# Altium PCB MecaVac(alternativo).PcbDoc (part 1 of 2) (continued)
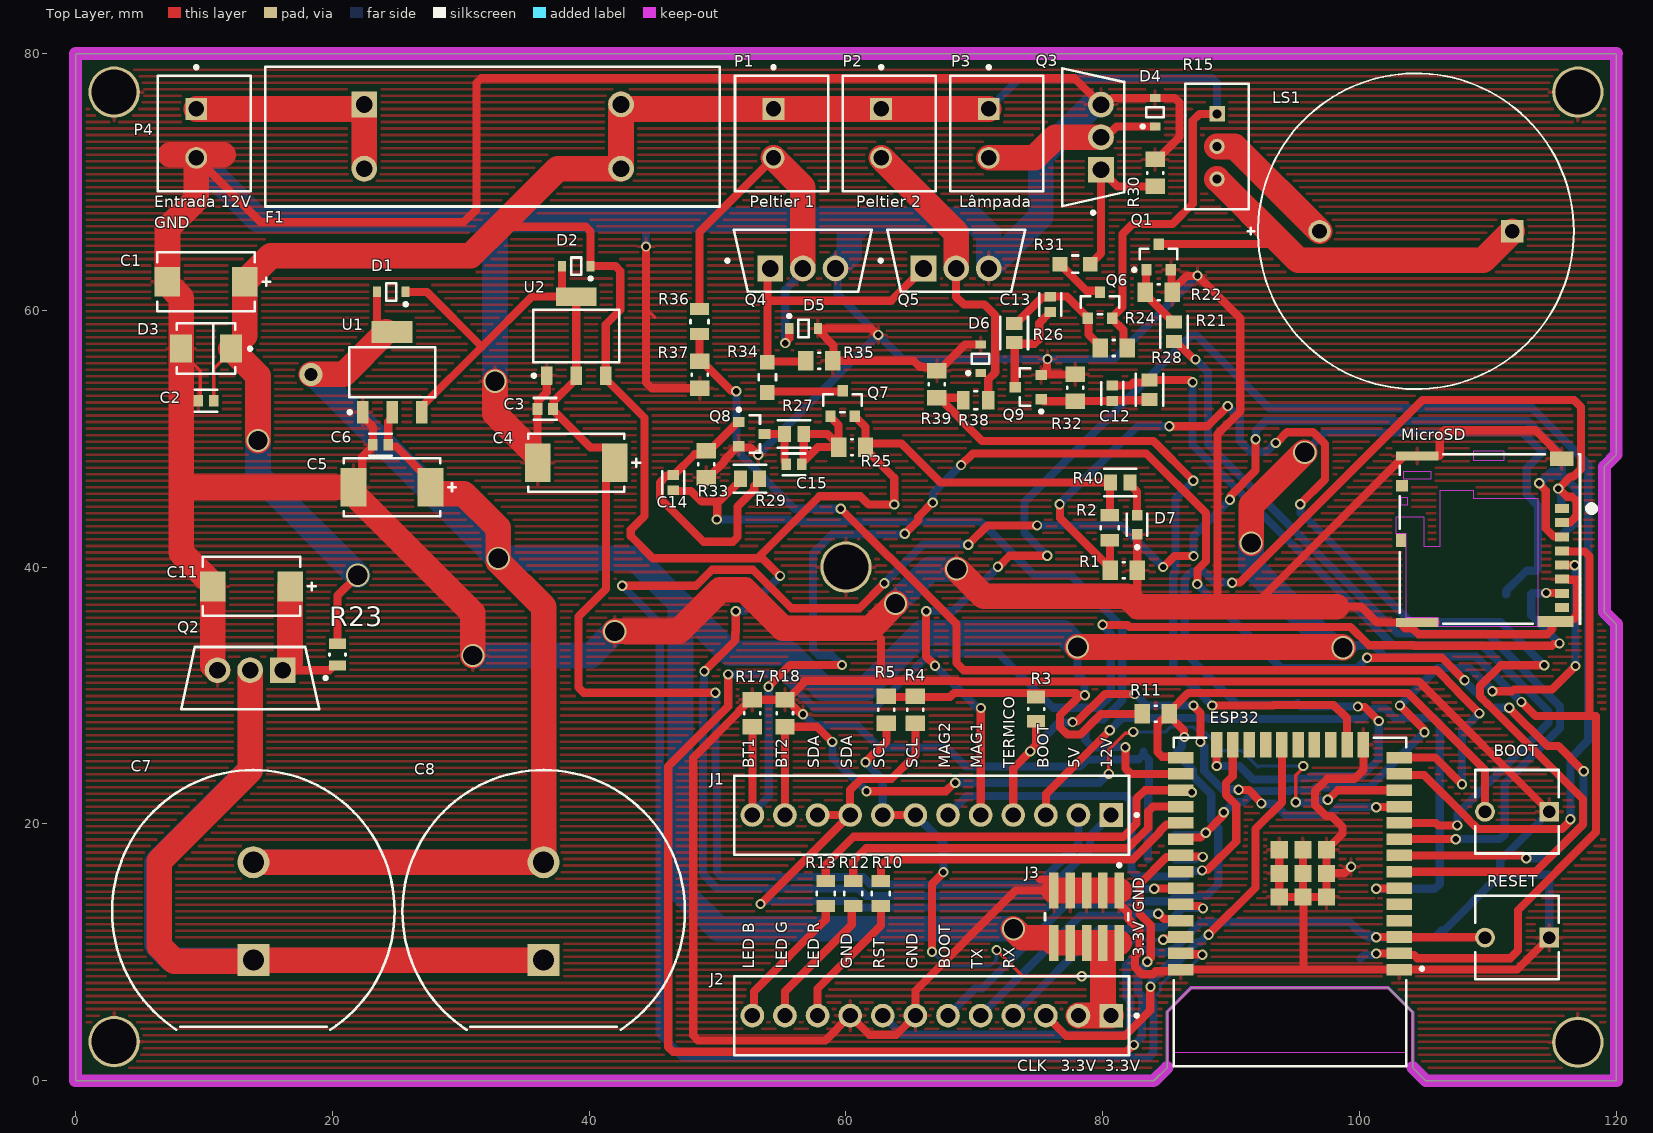
[diagram p0: Top Layer view]
## Part data (continued)
BOOT RESET: library part CMP-03407-000038-1, "SWITCH TACTILE SPST-NO 0.05A 24V", Case/Package=Radial, Contact Current Rating=50mA, Contact Resistance=100mR, Max Operating Temperature=105°C, Max Voltage Rating (DC)=12V, Min Operating Temperature=-35°C, Operating Force=1.57N, Package Quantity=10000, Actuator Diameter=3.5mm, Actuator Length=0.055inch, Actuator Material=Resin, Actuator Type=Standard, Contact material="Copper Alloy", Contact Plating=Silver, Current rating=50mA, Depth=6.19mm, Electrical Life=100000Cycles, Illumination Type=Non-Illuminated, Length=6.19mm, Max Current Rating=50mA, Mechanical Life=100000Cycles, Mount="Through Hole", Orientation=Straight, Packaging="Tape and Reel", Radiation Hardening=No, RoHS Compliant=Yes, Series=FSMJRT, Switch Function=Off-Mom, Switch Travel=0.25mm, Termination="PC Pins", Throw Configuration=SPST, Type=Switch, Voltage Rating (DC)=12V
C1 C11: library part CMP-03017-000020-1, "CAP TANT 47UF 10% 25V 2917", Capacitance=47uF, Case Code (Imperial)=2917, Case Code (Metric)=7343, Dielectric Material=Tantalum, ESR (Equivalent Series Resistance)=700mR, Leakage Current=11.8uA, Max Operating Temperature=125°C, Min Operating Temperature=-55°C, Package Quantity=1, Ripple Current=463mA, Tolerance=10%, Voltage=25V, Case/Package=2917, Depth=4.3mm, Dissipation Factor=10%, Failure Rate=0.001%, Features="General Purpose", Height=2.8mm, Height - Seated (Max)=0.122inch, Lead Free="Lead Free", Length=7.3mm, Life (Hours)=2000Hour, Mount="Surface Mount", Number of Pins=2, Packaging="Tape and Reel", Polarity=Polar, Radiation Hardening=No, REACH SVHC="No SVHC", RoHS Compliant=Yes, Termination=SMD/SMT, Voltage rating=25V, Voltage Rating (DC)=25V, Weight=0.023634oz, Width=4.3mm
C2 C3 C12 C13 C14 C15: library part CMP-2006-03581-2, "CAP CER 470PF 50V 5% NP0 0603", Capacitance="470 pF", Manufacturer=KEMET, Package=C0603C-CF, Temperature="-55°C to +125°C", Temperature Characteristic=C0G, Temperature Coefficient=30ppm/°C, Temperature Range High=+125°C, Temperature Range Low=-55°C, Tolerance=0.05, Voltage rating="50 V", Automotive=Yes, Automotive Grade="Grade 1", Category=Cap, ComponentLink2Description=Datasheet, ComponentLink2URL=https://api.kemet.com/component-edge/download/datasheet/C0603C100J5GACAUTO.pdf, Device Class L1="Passive Components", Device Class L2=Capacitors, Device Class L3="Ceramic Capacitors", Digikey Description="CAP CER 470PF 50V 5% NP0 0603", Height=0.87mm, Lead Free=Yes, Manufacturer Part Number=C0603C471J5GACTU, Material=Ceramic, Mouser Description="Ceramic Capacitor 470Pf 50V, C0G, 5%, 0603, Full Reel", Octopart=https://octopart.com/c0603c471j5gactu-kemet-95298, RoHS=TRUE
C4 C5: library part CMP-04424-000452-1, "47uF 10V  ±10% 400mΩ 2917  SMD Tantalum Capacitor", Case Code (Imperial)=2917, Case Code (Metric)=7343, Dielectric Material=Tantalum, ESR (Equivalent Series Resistance)=900mR, Leakage Current=6uA, Max Operating Temperature=125°C, Min Operating Temperature=-55°C, Package Quantity=1, Tolerance=10%, Voltage=10V, Capacitance=47uF, Case/Package=2917, Construction=Flat, Depth=4.3mm, Dissipation Factor=6%, Features="General Purpose", Height=2.9mm, Height - Seated (Max)=0.122inch, Lead Free="Lead Free", Lead Pitch=4.4mm, Length=7.3mm, Mount="Surface Mount", Number of Pins=2, Packaging="Tape and Reel", Polarity=Polar, Radiation Hardening=No, REACH SVHC="No SVHC", RoHS Compliant=Yes, Series=TAJ, Termination=SMD/SMT, Voltage rating=10V, Voltage Rating (DC)=10V, Width=0.169inch
C6: library part CMP-2006-03581-2, "CAP CER 470PF 50V 5% NP0 0603", Capacitance="470 pF", Capacitancia=470pF, Manufacturer=KEMET, Package=C0603C-CF, Temperature="-55°C to +125°C", Temperature Characteristic=C0G, Temperature Coefficient=30ppm/°C, Temperature Range High=+125°C, Temperature Range Low=-55°C, Tolerance=0.05, Voltage rating="50 V", Automotive=Yes, Automotive Grade="Grade 1", Category=Cap, ComponentLink2Description=Datasheet, ComponentLink2URL=https://api.kemet.com/component-edge/download/datasheet/C0603C100J5GACAUTO.pdf, Device Class L1="Passive Components", Device Class L2=Capacitors, Device Class L3="Ceramic Capacitors", Digikey Description="CAP CER 470PF 50V 5% NP0 0603", Height=0.87mm, Lead Free=Yes, Manufacturer Part Number=C0603C471J5GACTU, Material=Ceramic, Mouser Description="Ceramic Capacitor 470Pf 50V, C0G, 5%, 0603, Full Reel", Octopart=https://octopart.com/c0603c471j5gactu-kemet-95298, RoHS=TRUE
C7: library part CMP-03024-000003-1, "CAP 1F -20% +80% 5.5V T/H", Capacitance=1F, Manufacturer=KEMET, Manufacturer Part Number=FR0H105ZF, Temperature="-40°C to +85°C", Temperature Range High=+85°C, Temperature Range Low=-40°C, Tolerance=-20/+80%, Voltage rating=5.5V, Automotive=No, Category=Cap, ComponentLink2Description=Datasheet, ComponentLink2URL=https://content.kemet.com/datasheets/KEM_S6016_FR.pdf, Device Class L1="Passive Components", Device Class L2=Capacitors, Device Class L3=Supercapacitors, Digikey Description="CAP 1F -20% +80% 5.5V T/H", Height=22mm, Lead Free=Yes, Mouser Description="Supercapacitors / Ultracapacitors 1F 5.5volts Radial Super Cap", Octopart=https://octopart.com/fr0h105zf-kemet-30531656, Package=FR0H105ZF, RoHS=TRUE
C8: library part CMP-03024-000003-1, "CAP 1F -20% +80% 5.5V T/H", Manufacturer=KEMET, Manufacturer Part Number=FR0H105ZF, Temperature="-40°C to +85°C", Temperature Range High=+85°C, Temperature Range Low=-40°C, Tolerance=-20/+80%, Voltage rating=5.5V, Automotive=No, Capacitance=1F, Category=Cap, ComponentLink2Description=Datasheet, ComponentLink2URL=https://content.kemet.com/datasheets/KEM_S6016_FR.pdf, Device Class L1="Passive Components", Device Class L2=Capacitors, Device Class L3=Supercapacitors, Digikey Description="CAP 1F -20% +80% 5.5V T/H", Height=22mm, Lead Free=Yes, Mouser Description="Supercapacitors / Ultracapacitors 1F 5.5volts Radial Super Cap", Octopart=https://octopart.com/fr0h105zf-kemet-30531656, Package=FR0H105ZF, RoHS=TRUE
C9 C10: library part CMP-04424-000673-1, "100nF 35V  ±10% 24Ω 1206  SMD Tantalum Capacitor", Capacitance=100nF, Case Code (Imperial)=1206, Case Code (Metric)=3216, Dielectric Material=Tantalum, ESR (Equivalent Series Resistance)=24R, Leakage Current=500nA, Max Operating Temperature=125°C, Min Operating Temperature=-55°C, Package Quantity=1, Tolerance=10%, Voltage=35V, Case/Package=1206, Construction=Flat, Depth=1.6mm, Dissipation Factor=4%, Features="General Purpose", Height=1.6mm, Height - Seated (Max)=0.071inch, Lead Free="Lead Free", Lead Pitch=1.1mm, Length=3.2mm, Mount="Surface Mount", Number of Pins=2, Packaging="Tape and Reel", Polarity=Polar, Q Factor=4, Radiation Hardening=No, REACH SVHC="No SVHC", RoHS Compliant=Yes, Series=TAJ, Termination=SMD/SMT, Voltage rating=35V, Voltage Rating (DC)=35V, Width=1.6mm
D1 D2 D4 D5 D6: library part CMP-1055-00462-1, "Schottky Barrier Diode, 2-Pin SOD-323, Pb-Free, Tape and Reel", Manufacturer="On Semiconductor", ComponentLink1Description="Manufacturer URL", ComponentLink1URL=http://www.onsemi.com/, ComponentLink2Description=Datasheet, ComponentLink2URL=http://www.onsemi.cn/pub_link/Collateral/BAT54HT1-D.PDF, ComponentLink3Description="Package Specification", ComponentLink3URL=http://www.onsemi.com/pub_link/Collateral/477-02.PDF.1, Configuration=Single, DatasheetVersion="Rev. 6", IFSM Max (A)=0.6, Mounting Technology="Surface Mount", PackageDescription="2-Pin SOD, Body 1.7 x 1.25 mm", PackageReference=SOD-323-2-477-02, PackageVersion="Rev. H, 03/2007", Packing="Tape and Reel", PartNumber=BAT54HT1G, RoHS=TRUE, trr Max (ns)=5
D3: library part CMP-02577-000009-1, "TVS DIODE 15V 24.4V DO214AA", Breakdown Voltage=16.7V, Clamping Voltage=24.4V, Manufacturer=Vishay, Manufacturer Part Number=SMBJ15A-E3/52, Max Junction Temp=+150°C, Package=95401, Peak Pulse Current=24.6A, Peak Pulse Power=600W, Reverse Standoff Voltage=15V, Temperature="-55°C to +150°C", Temperature Range Low=-55°C, Automotive=No, Category=Diode, ComponentLink2Description=Datasheet, ComponentLink2URL=https://www.vishay.com/docs/88392/smbj.pdf, Device Class L1="Circuit Protection", Device Class L2="TVS Diodes", Device Class L3=unset, Digikey Description="TVS DIODE 15V 24.4V DO214AA", Direction=Unidirectional, Footprint Url=https://www.vishay.com/docs/95401/smb.pdf, Height=2.44mm, Lead Free=Yes, Mouser Description="TVS Diodes - Transient Voltage Suppressors 600W 15V 5% Uni", Number Of Channels=1, Octopart=https://octopart.com/smbj15a-e3%2F52-vishay-39558613, RoHS=TRUE, Standoff Height=0mm, Temperature Range High=+150°C
D7: library part CMP-22017-000008-1, "LED BLUE CLEAR CHIP SMD", Case Code (Imperial)=0603, Case Code (Metric)=1608, Color=Blue, Forward Current=20mA, Forward Voltage=3.8V, Lens Color=Colorless, Max Operating Temperature=80°C, Max Power Dissipation=75mW, Min Operating Temperature=-20°C, Package Quantity=1, Power Dissipation=76mW, Reverse Voltage=5V, Case/Package=0603, Depth=1.6mm, Dominant Wavelength=475nm, Height=0.55mm, Illumination Color=Blue, Lead Free="Lead Free", Length=0.8mm, Lens Style=Diffused, Lens Transparency=Clear, Luminous Intensity=180mcd, Mount="Surface Mount", Number Of Elements=1, Number of LEDs=1, Number of Pins=2, Packaging="Tape and Reel", Radiation Hardening=No, Test Current=20mA, Viewing Angle=130°, Wavelength=468nm, Width=0.8mm
ESP32: library part CMP-194065-000003-1, "WIFI MODULE 32MBITS SPI FLASH", Manufacturer="Espressif Systems", Max Frequency=2484MHz, Max Supply Voltage=3.6V, Min Supply Voltage=3V, Nominal Supply Current=500mA, Temperature="-40°C to +85°C", Temperature Range High=+85°C, Temperature Range Low=-40°C, Automotive=No, Bandwidth=72MHz, Category=UNK, ComponentLink2Description=Datasheet, ComponentLink2URL=https://www.espressif.com/sites/default/files/documentation/esp32-wroom-32d_esp32-wroom-32u_datasheet_en.pdf, Data Rate=150Mbits/s, Device Class L1="Integrated Circuits (ICs)", Device Class L2="RF Semiconductors and Devices", Device Class L3=Transceivers, Digikey Description="WIFI MODULE 32MBITS SPI FLASH", Height=3.2mm, Interface=I2C,SPI,UART,Ethernet,I2S,Other, Lead Free=Yes, Manufacturer Part Number=ESP32-WROOM-32D, Mouser Description="Wi-Fi/BT BLE Module ESP32-D0WD, SPI Flash, UART, P", Number Of Adc Channels=16, Number Of Gpio=32, Octopart=https://octopart.com/esp32-wroom-32d-espressif+systems-91040050, Package=ESP32-WROOM-32D, RoHS=TRUE, Sensitivity=-98dBm
F1: library part CMP-26292-000005-1, "FUSE BLOK CARTRIDGE 600V 16A PCB", Ambient Temperature Range High=+85°C, Ambient Temperature Range Low=-40°C, Fuse Current=16A, Manufacturer=Schurter, Package=0, Voltage Rating Ac=500V, Voltage Rating Dc=600V, Automotive=No, Category=Fuse, ComponentLink2Description=Datasheet, ComponentLink2URL=https://www.schurter.com/en/datasheet/typ_OGD.pdf, Conn Orientation=Horizontal, Device Class L1="Circuit Protection", Device Class L2="Fuse Holders", Device Class L3=unset, Digikey Description="FUSE BLOK CARTRIDGE 600V 16A PCB", Height=12.7mm, Lead Free=Yes, Manufacturer Part Number=0031.8231, Mouser Description="Fuse Holder OGD FUSEHOLDER 5X20/6.3X32", Number Of Fuses=1, Octopart=https://octopart.com/0031.8231-schurter-8659, RoHS=TRUE, Standoff Height=0.7mm
J1 J2: library part CMP-04776-000649-1, "CONN HEADER VERT 12POS 2.54MM", Color=Natural, Contact Resistance=10mR, Current rating=4A, Flammability Rating="UL94 V-0", Housing Color=White, Insulation Resistance=50GR, Max Operating Temperature=75°C, Min Operating Temperature=0°C, Package Quantity=10, Voltage rating=250V, Connector Type="Male Pin", Contact Gender=Male, Contact material=Brass, Contact Mating Length=0.295inch, Contact Plating=Tin, Contact Type="Male Pin", Depth=5.8mm, Fastening Type=Friction, Gender=Male, Glow Wire Compliant=Non-compliant, Halogen Free="Low Halogen", Height=11.7mm, Hole Diameter=1.02mm, Housing material=Nylon, Lead Free="Lead Free", Lead Pitch=2.54mm, Length=30.48mm, Material=Nylon, Mount="Through Hole", Number of Circuits=12, Number Of Contacts=12, Number of Lines=1, Number of Poles=12, Number of Positions=12, Number Of Rows=1, Orientation=Straight, Packaging=Bulk, Pitch=2.54mm, Radiation Hardening=No, RoHS Compliant=Yes, Series=KK, Termination=Solder, Voltage Rating (AC)=250V, Voltage Rating (DC)=250V, Working Voltage=250V
J3: library part CMP-2000-06293-2, "CONN HEADER SMD 10POS 1.27MM", Color=Black, Current rating=1.75A, Max Operating Temperature=125°C, Min Operating Temperature=-55°C, Package Quantity=550, Connector Type="Male Pin", Contact material=Bronze, Contact Mating Length=0.12inch, Contact Plating=Gold, Depth=3.43mm, Gender=Male, Housing Color=Black, Housing material=Polymer, Lead Free="Lead Free", Length=6.35mm, Max Current Rating=1.75A, Mount="Surface Mount", Number Of Contacts=10, Number of Positions=10, Number Of Rows=2, Orientation=Straight, Packaging="Tape and Reel", Pitch=1.27mm, Radiation Hardening=No, REACH SVHC="No SVHC", Row Spacing=0.05inch, Termination=Solder
LS1: library part CMP-06203-000001-2, "AUDIO PIEZO TRANSDUCER 3-15V TH", Frequency=3.6kHz, Max Frequency=4.1kHz, Max Operating Temperature=70°C, Max Supply Current=16mA, Max Supply Voltage=15V, Min Operating Temperature=-20°C, Min Supply Voltage=3V, Nominal Supply Voltage (DC)=12V, Package Quantity=650, Diameter=24.3mm, Height=9.7mm, Lead Free="Lead Free", Length=24.3mm, Max Supply Voltage (DC)=15V, Min Supply Voltage (DC)=3V, Mount=Flush, Nominal Supply Current=16mA, Operating Supply Current=16mA, Packaging=Bulk, Radiation Hardening=No, REACH SVHC="No SVHC", Self Resonant Frequency=3.6kHz, Termination="PC Pins", Voltage rating=12V, Voltage Rating (DC)=15V, Washable=No
MicroSD: library part CMP-2000-05621-1, "Micro SD Connector, Pitch 1.1 mm, 8 Position, Height 1.4 mm, -25 to 85 degC, RoHS, Tape and Reel", Current rating=500mA, Manufacturer=Molex, Package Description="Micro SD Connector, Pitch 1.1 mm, 8 Position, Height 1.4 mm", Voltage rating=10VAC/DC, Brand=Molex, Datasheet URL=http://www.molex.com/pdm_docs/sd/5033981892_sd.pdf, Datasheet Version="Rev. E, 04/2006", Factory Pack Quantity=2400, Manufacturer URL=http://www.molex.com/, Mounting Technology=SurfaceMount, Package Reference=503398-1892, Packaging=Reel, Product Category=MemoryCardConnectors, RoHS=Details, Series=503398
P1 P2 P3 P4: library part CMP-2000-05826-1, "Male Header, Pitch 3.81 mm, 1 x 2 Position, Height 9.2 mm, Tail Length 3.4 mm", Manufacturer="Phoenix Contact", Package Description="Male Header, Pitch 3.81 mm, 1 x 2 Position, Height 9.2 mm", Package Reference=1803426, Datasheet URL=https://www.phoenixcontact.com/online/portal/cn/pxc/product_detail_page/!ut/p/b1/3VfHjrNIGHyWeQDG5HAkm5zjxQIM2AQDNvnp1zNa7WFX889l5YPpA6L1qUtVdFX3d4gPEYCiFAaBJHgID_Etma9lMl67W9J8fcf4iRJ1HIRRHAIZDANpTKVtR3IFAyUOwSEE0ZNTbb2iOquuOqg8OKsEReRD0XpT8cAJtHK1h62gd5Lwwj7fSR7gfNZiWNE2tu2Xg71pvaHw3VHbDIccysUbixteZxggMWJnxWgP9KIolKko13HrKNI0OD69xjcsLwZb9oJmcNi4flh1xw9LW6-eWTQ9nREGMg82nQ7i5d6Jdk07dw7fZbrokLagaoyYggEvB4C7H5W4HERjSAam7I1pSvC1iqzSu8itk8CidtE6n3bP2nD0Pp6iRD-LQiLob5pFzwLixwIWO7iH0PcgleukhedgldkYbrFLA5WSM7ufG5_qGPkUc9vEzZQaS901mlWkPYn5tWxhabkCUfW4SsSIbpPuMIJHpQReslhERyEnqVrZBIU1V5Nilrs5X123FVtC3BVOSLHMP1b6PfXsNSgk1T-F50SEmtzqQUXqhsW5rwQ1o0BXB2gELrcQ4gCUoNAFTBX6N2LEmxJz0Hclhr8rsXf1mPOuHoPf1WPwu3oMflePSW-7Fd81PGj4i1jqc2r6kGnO3K4b7QxsE14hAduG8C7FaT2GvZ7I-s0j05SGAI1kaO9y99Mt55acg9cLDNYaWwQcdDTPAtjrfMY1OBkOcVEr9HZ8tGspIQLbIVDtpjctgzHFMG4BAZsGvQthBBH4WA-nFo17BJ08nhvnnSIvtClxxDZLZLDt43EXgXAD-FUl6xp1LReX8w3Sb-3dEFiLergsTPmiPWlKHKTnUE9MvjMWis8MoKAxhXcLRQoyR1OjaJFnuS2q9AQSlWi71_PQS1I7hwNcTAR9vGjIY_k4yIf4mrafS9Z-gp_9mn329-4, Datasheet Version=02/2015, Manufacturer URL=http://www.phoenixcontact.com/, Mounting Technology=ThroughHole
Q1 Q8 Q9: library part CMP-1048-00779-1, "General Purpose Transistor, NPN Silicon, 3-Pin SOT-23, Pb-Free, Tape and Reel", Manufacturer="On Semiconductor", ComponentLink1Description="Manufacturer URL", ComponentLink1URL=http://www.onsemi.com/, ComponentLink2Description=Datasheet, ComponentLink2URL=http://www.onsemi.cn/pub_link/Collateral/BC846ALT1-D.PDF, ComponentLink3Description="Package Specification", ComponentLink3URL=http://www.onsemi.cn/pub_link/Collateral/318-08.PDF, DatasheetVersion="Rev. 11", fT Min (MHz)=100, IC Continuous (A)=0.1, Mounting Technology="Surface Mount", PackageDescription="3-Pin Small Outline Transistor, Body 2.92 x 1.3 mm, Pitch 0.95 mm", PackageReference=SOT-23-3-318-08, PackageVersion="Rev. AP, 11/2009", Packing="Tape and Reel", PartNumber=BC846BLT1G, Polarity=NPN, RoHS=TRUE
Q2 Q3 Q4 Q5: library part CMP-32901-000149-1, "MOSFET N-CH 40V 202A TO-220AB", Continuous Drain Current=202A, Drain To Source Breakdown Voltage=40V, Drain To Source Resistance=0.0035Ω, Gate To Source Voltage=20V, Input Capacitace At Vds="5669pF @ 25V", Manufacturer="Infineon Technologies", Max Forward Diode Voltage=1.5V, Max Junction Temp=+175°C, Package=PG-TO220-3, Power Dissipation=333W, Pulse Drain Current=808A, Temperature="-55°C to +175°C", Temperature Range Low=-55°C, Automotive=No, Category=Trans, ComponentLink2Description=Datasheet, ComponentLink2URL=https://www.infineon.com/dgdl/irf1404pbf.pdf?fileId=5546d462533600a4015355dae92618b0, Depletion Mode=False, Device Class L1="Discrete Semiconductors", Device Class L2=Transistors, Device Class L3=MOSFETs, Digikey Description="MOSFET N-CH 40V 202A TO-220AB", Drain To Source Voltage=40V, Footprint Url=https://www.infineon.com/dgdl/po-to220ab-fp.pdf?fileId=5546d462580663ef0158068cfbee01be, Gate Charge At Vgs="131nC @ 10V", Height=19.8mm, Lead Free=Yes, Manufacturer Part Number=IRF1404PBF, Number Of Channels=1, Number Of N Channels=1, Octopart=https://octopart.com/irf1404pbf-infineon-65873280, Reverse Recovery Charge=163nC, Reverse Recovery Time=78ns, RoHS=TRUE, Rthja Max=62°C/W, Standoff Height=3.37mm, Temperature Range High=+175°C, Threshold Vgs Max=4V, Threshold Vgs Min=2V, Transconductance=76S, Turn Off Delay Time=46ns, Turn On Delay Time=17ns
Q6 Q7: library part CMP-12798-000025-1, "TRANS PNP 45V 0.5A SOT23", Collector Base Voltage=-50V, Collector Emitter Breakdown Voltage=-45V, Collector Emitter Saturation Voltage=-0.7V, Emitter Base Voltage=-5V, Manufacturer="DIODES INC.", Max Collector Current=-0.5A, Max Junction Temp=+150°C, Package=SOT23, Power Dissipation=310mW, Temperature="-55°C to +150°C", Temperature Range Low=-55°C, Automotive=Yes, Automotive Grade="Grade 0", Category=Trans, Collector Emitter Voltage=-45V, ComponentLink2Description=Datasheet, ComponentLink2URL=https://www.diodes.com/assets/Datasheets/ds11208.pdf, Device Class L1="Discrete Semiconductors", Device Class L2=Transistors, Device Class L3=BJTs, Digikey Description="TRANS PNP 45V 0.5A SOT23", Footprint Url=https://www.diodes.com/assets/Package-Files/SOT23.pdf, Gain Bandwidth Product=100MHz, Height=1.1mm, Hfe Max=600, Hfe Min=250, Hfe Testic=-100mA, Hfe Testvce=-1V, Ipc Land Pattern Name=SOT92P240X102-3, Lead Free=Yes, Manufacturer Part Number=BC807-40-7-F, Mouser Description="Bipolar Transistors - BJT PNP BIPOLAR", Number Of Elements=1, Number Of Pnp=1, Octopart=https://octopart.com/bc807-40-7-f-diodes+inc.-354302, RoHS=TRUE, Rthja Max=403°C/W, Standoff Height=0.013mm, Temperature Range High=+150°C
R1 R4 R5 R11 R14 R16 R17 R18 R19 R20 R22 R24 R25 R30 R32 R33 R35 R37 R39: library part CMP-2001-04908-2, "RES Thick Film, 10kΩ, 1%, 0.125W, 100ppm/°C, 0805", Case Code (Imperial)=0805, Case Code (Metric)=2012, Max Operating Temperature=155°C, Min Operating Temperature=-55°C, Package Quantity=5000, Power Rating=125mW, Resistance=10kR, Temperature Coefficient=100ppm/°C, Tolerance=1%, Voltage rating=150V, Case/Package=0805, Composition="Thick Film", Contact Plating=Tin, Depth=1.25mm, Height=0.45mm, Lead Free="Lead Free", Length=2mm, Military Standard=Not, Packaging="Tape and Reel", Radiation Hardening=No, Termination=SMD/SMT, Voltage Rating (DC)=150V, Weight=0.000194oz, Width=1.25mm
R2 R36 R38: library part CMP-2001-04899-2, "RES Thick Film, 100kΩ, 1%, 0.125W, 100ppm/°C, 0805", Case Code (Imperial)=0805, Case Code (Metric)=2012, Max Operating Temperature=155°C, Min Operating Temperature=-55°C, Package Quantity=5000, Power Rating=125mW, Resistance=100kR, Temperature Coefficient=100ppm/°C, Tolerance=1%, Voltage rating=150V, Case/Package=0805, Composition="Thick Film", Contact Plating=Tin, Depth=1.25mm, Height=0.45mm, Lead Free="Lead Free", Length=2mm, Military Standard=Not, Mount="Surface Mount", Number of Pins=2, Packaging="Tape and Reel", Radiation Hardening=No, Termination=SMD/SMT, Voltage Rating (DC)=150V, Weight=0.000194oz, Width=1.25mm
R3: library part CMP-2100-03615-2, "RES Thick Film, 4.7kΩ, 1%, 0.125W, 100ppm/°C, 0805", Case Code (Imperial)=0805, Case Code (Metric)=2012, Max Operating Temperature=155°C, Max Power Dissipation=125mW, Min Operating Temperature=-55°C, Package Quantity=10, Resistance=4.7kR, Temperature Coefficient=100ppm/°C, Tolerance=1%, Voltage rating=150V, Case/Package=0805, Composition="Thick Film", Contact Plating=Tin, Depth=1.25mm, Features="Automotive AEC-Q200", Height=0.45mm, Lead Free="Lead Free", Length=2mm, Military Standard=Not, Number of Terminations=2, Packaging="Tape and Reel", Power Rating=125mW, Radiation Hardening=No, Termination=SMD/SMT, Voltage Rating (DC)=150V, Weight=0.000194oz, Width=1.25mm
R6 R7 R8 R9: library part CMP-2001-03939-2, "RES Thick Film, 47kΩ, 1%, 0.125W, 100ppm/°C, 0805", Case Code (Imperial)=0805, Case Code (Metric)=2012, Max Operating Temperature=155°C, Max Power Dissipation=125mW, Min Operating Temperature=-55°C, Package Quantity=10, Resistance=47kR, Temperature Coefficient=100ppm/°C, Tolerance=1%, Voltage rating=150V, Case/Package=0805, Composition="Thick Film", Contact Plating=Tin, Depth=1.25mm, Features="Automotive AEC-Q200", Height=0.45mm, Lead Free="Lead Free", Length=2mm, Military Standard=Not, Number of Terminations=2, Packaging="Tape and Reel", Power Rating=125mW, Radiation Hardening=No, Termination=SMD/SMT, Voltage Rating (DC)=150V, Weight=0.000194oz, Width=1.25mm, Working Voltage=150V
R10 R12 R13: library part CMP-2001-03682-2, "RES Thick Film, 220Ω, 1%, 0.125W, 100ppm/°C, 0805", Case Code (Imperial)=0805, Case Code (Metric)=2012, Max Operating Temperature=155°C, Max Power Dissipation=125mW, Min Operating Temperature=-55°C, Package Quantity=10, Resistance=220R, Temperature Coefficient=100ppm/°C, Tolerance=1%, Voltage rating=150V, Case/Package=0805, Composition="Thick Film", Contact Plating=Tin, Depth=1.25mm, Features="Automotive AEC-Q200", Height=0.45mm, Lead Free="Lead Free", Length=2mm, Military Standard=Not, Mount="Surface Mount", Number of Terminations=2, Packaging="Tape and Reel", Power Rating=125mW, Radiation Hardening=No, Termination=SMD/SMT, Voltage Rating (DC)=150V, Weight=0.000194oz, Width=0.049inch
R15: library part CMP-2000-05582-2, "TRIMMER 2K OHM 0.5W PC PIN TOP", Color=Blue, Max Operating Temperature=125°C, Max Power Dissipation=500mW, Min Operating Temperature=-55°C, Package Quantity=50, Resistance=2kR, Resistance Tolerance=10%, Resistor Type=Cermet, Temperature Coefficient=100ppm/°C, Contact Plating=Tin, Depth=4.83mm, Height=0.395inch, Lead Free="Lead Free", Length=9.53mm, Military Standard=Not, Mount=Panel, Number of Turns=25, Packaging=Rail/Tube, Power Rating=500mW, Radiation Hardening=No, REACH SVHC="No SVHC", RoHS Compliant=Yes, Series=3296, Taper=Linear, Technology=CERMET, Termination=Pin, Tolerance=10%, Weight=0.03oz, Width=9.53mm
R21 R26 R27 R28 R29 R40: library part CMP-2001-00581-2, "RES 1K OHM 0.1% 1/8W 0805", Case Code (Imperial)=0805, Case Code (Metric)=2012, Max Operating Temperature=155°C, Max Power Dissipation=125mW, Min Operating Temperature=-55°C, Package Quantity=5000, Resistance=1kR, Resistance Tolerance=0.1%, Resistor Type="Thin Film", Temperature Coefficient=25ppm/°C, Voltage rating=100V, Case/Package=0805, Construction=Rectangular, Contact Plating=Tin, Depth=1.25mm, Height=0.5mm, Length=2mm, Military Standard=Not, Mount="Surface Mount", Number of Pins=2, Number of Terminations=2, Packaging="Tape and Reel", Power Rating=125mW, Radiation Hardening=No, REACH SVHC="No SVHC", RoHS Compliant=Yes, Series=ERA-6A, Technology="THIN FILM", Termination=SMD/SMT, Tolerance=0.1%, Width=1.25mm, Working Voltage=100V
R23: library part CMP-1013-00772-3, "RES Thick Film, 220kΩ, 1%, 0.125W, 100ppm/°C, 0805", Case Code (Imperial)=0805, Case Code (Metric)=2012, Max Operating Temperature=155°C, Max Power Dissipation=125mW, Min Operating Temperature=-55°C, Package Quantity=10, Resistance=220kR, Temperature Coefficient=100ppm/°C, Tolerance=1%, Voltage rating=150V, Case/Package=0805, Composition="Thick Film", Contact Plating=Tin, Depth=1.25mm, Features="Automotive AEC-Q200", Height=0.45mm, Lead Free="Lead Free", Length=2mm, Military Standard=Not, Number of Terminations=2, Packaging="Tape and Reel", Power Rating=125mW, Radiation Hardening=No, Termination=SMD/SMT, Voltage Rating (DC)=150V, Weight=0.000194oz, Width=1.25mm
R31 R34: library part CMP-1013-00054-3, "RES SMD 150 OHM 5% 1/8W 0805", Manufacturer=Panasonic, Package=ERJ6GE, Power Rating=0.125W, Resistance=150R, Temperature="-55°C to +155°C", Temperature Coefficient=200ppm/°C, Temperature Range High=+155°C, Temperature Range Low=-55°C, Tolerance=5%, Voltage rating=150V, Automotive=Yes, Automotive Grade="Grade 0", Category=Res, ComponentLink2Description=Datasheet, ComponentLink2URL=https://industrial.panasonic.com/ww/products/resistors/chip-resistors/general-purpose-chip-resistors/thick-film-chip-resistors/ERJ6GEYJ151V, Composition="Thick Film", Device Class L1="Passive Components", Device Class L2=Resistors, Device Class L3="Chip SMD Resistors", Digikey Description="RES SMD 150 OHM 5% 1/8W 0805", Footprint Url=https://industrial.panasonic.com/cdbs/www-data/pdf/RDA0000/DMA0000COL17.pdf, Height=0.7mm, Ipc Land Pattern Name=RESC200125X60, Lead Free=Yes, Manufacturer Part Number=ERJ-6GEYJ151V, Mouser Description="Thick Film Resistors - SMD 0805 150ohms 5% Tol", Octopart=https://octopart.com/erj-6geyj151v-panasonic-55422917, RoHS=TRUE, Series=ERJ
U1: library part CMP-0062-01631-4, "800mA Low-Dropout Linear Regulator, 4-pin SOT-223, Pb-Free", Manufacturer="Texas Instruments", PackageTopMarking=XYTT*N05B, PowerWise=N, Code_IPC=SOT223-4, Code_JEDEC=TO-261-AA, ComponentLink1Description="Datasheet URL", ComponentLink1URL=http://www.ti.com/general/docs/lit/getliterature.tsp?genericPartNumber=LM1117-N&fileType=pdf, CompType="LDO IC", High-Reliability=Y, PackageDescription="Molded SOT-223, 6.50 x 3.56 x 1.6mm Body, 4 Lead, 2.3mm Pitch", PackageReference=DCY0004A, PartNumber=LM1117IMP-3.3/NOPB, PinCount=4, RoHS=Y
U2: library part CMP-0062-01635-4, "800mA Low-Dropout Linear Regulator, 4-pin SOT-223, Pb-Free", Manufacturer="Texas Instruments", PackageTopMarking=XYTT*N06A, PowerWise=N, Code_IPC=SOT223-4, Code_JEDEC=TO-261-AA, ComponentLink1Description="Datasheet URL", ComponentLink1URL=http://www.ti.com/general/docs/lit/getliterature.tsp?genericPartNumber=LM1117-N&fileType=pdf, CompType="LDO IC", High-Reliability=Y, PackageDescription="Molded SOT-223, 6.50 x 3.56 x 1.6mm Body, 4 Lead, 2.3mm Pitch", PackageReference=DCY0004A, PartNumber=LM1117MPX-5.0/NOPB, PinCount=4, RoHS=Y

## Free pads (board coordinates)
  round 4 hole 3.5 unplated: 1(3,3.048) 1(3,77) 1(60,40) 1(117,3) 1(117,77)

## Via types
v1: diameter 0.8, hole 0.5, Top Layer to Bottom Layer, 114 vias
v2: diameter 1.8, hole 1.5, Top Layer to Bottom Layer, 13 vias
v3: diameter 1.8, hole 1, Top Layer to Bottom Layer, 1 vias

## Nets (pads, with @x,y where several pads share a name; then routed paths per layer and width w, separated by ;. In a path a pad name is that pad's centre, name@x,y a point inside that pad or via, vN(x,y) a via of type N, cw(c..) or ccw(c..) an arc to the next point about the centre after c; other vN are vias at no path point)
+3.3V: C5.2 C6.1 C7.2 C8.2 D1.2 ESP32.2 J2.1 J2.2 J3.2 J3.4 J3.6 J3.8 J3.10 MicroSD.4 R3.1 R4.1 R5.1 R6.1 R7.1 R8.1 R9.1 R11.2 R16.2 U1.2 U1.4 | length 410.5
  Top Layer w0.635: D1.2@23.472,61.443 23.472,58.878 24.03,58.32 U1.4@24.177,58.32 ; U1.2@24.652,52.07 24.652,51.645 24.349,51.342 C6.1@24.349,49.53 24.349,49.455 24.407,49.398 24.969,49.398 27.638,46.728 C5.2@27.638,46.228 ; R5.1@63.17,29.905 63.144,29.88 68.098,29.88 68.419,30.201 77.927,30.201 78.073,30.054 78.579,30.054 v1(78.611,30.023) 78.232,30.023 76.676,28.467 76.676,27.538 77.245,26.969 78.249,26.969 79.855,28.575 R11.2@83.074,28.575 ; v1(101.295,9.906) 101.307,9.918 103.068,9.918 ESP32.2@103.08,9.931 103.213,9.798 104.249,9.798 104.498,9.55 111.759,9.55 112.344,10.135 112.344,13.284 118.421,19.361 118.421,28.416 117.907,28.416 ; v1(112.604,29.509) 113.697,28.416 117.907,28.416 ; MicroSD.4@116.281,41.257 116.314,41.225 117.535,41.225 117.907,40.853 117.907,28.416
  Top Layer w2: C7.2@13.843,17.018 C8.2@36.449,17.018 36.449,36.917 32.918,40.448 v2(32.918,40.691) 32.918,43.05 30.24,45.728 27.638,45.728 C5.2@27.638,46.228 ; v3(18.339,55.016) 20.873,55.016 U1.4@24.177,58.32 ; v2(73.038,11.836) 73.735,11.139 75.805,11.139 J3.10@76.2,10.744 J3.8@77.47,10.744 J3.6@78.74,10.744 J3.4@80.01,10.744 ; v2(78.029,33.782) 98.654,33.782 v2(98.704,33.731) ; J2.2@78.105,5.08 J2.1@80.645,5.08 80.01,5.715 J3.4@80.01,10.744 ; J3.2@81.28,10.744 J3.4@80.01,10.744 ; v2(91.557,41.888) 91.557,44.821 95.682,48.946 v2(95.733,48.946)
  Bottom Layer w0.635: v2(78.029,33.782) 78.029,31.693 78.579,31.142 78.579,30.054 v1(78.611,30.023) ; v2(95.733,48.946) 97.282,50.495 112.7,50.495 114.239,48.956 113.024,47.74 113.024,45.662 113.909,44.776 R6.1@113.909,44.526 R7.1@113.909,42.325 R8.1@113.909,40.132 113.909,39.882 113.752,39.724 112.998,39.724 111.42,38.147 R9.1@111.42,37.897 ; v2@99.593,33.731 99.784,33.922 101.092,33.922 101.962,33.052 109.064,33.052 v1(112.604,29.509) v1(112.604,29.509) ; R16.2@100.076,9.516 100.362,9.801 101.146,9.801 101.251,9.906 v1(101.295,9.906)
  Bottom Layer w2: C7.2@13.843,17.018 C8.2@36.449,17.018 ; v3(18.339,55.016) 18.593,55.016 v2(32.918,40.691) 43.561,40.691 47.117,37.135 ; v2(73.038,11.836) 50.063,11.836 47.117,14.783 47.117,37.135 ; v2(78.029,33.782) 76.94,34.871 65.876,34.871 61.59,30.585 58.211,30.585 55.494,33.302 50.949,33.302 47.117,37.135 ; v2(91.557,41.888) 91.545,41.876 91.545,40.078 97.892,33.731 v2(98.704,33.731)
+5V: C3.1 C4.2 D1.1 D2.2 J1.2 U1.3 U2.2 U2.4 | length 118.3
  Top Layer w0.635: D1.1@25.702,61.443 27.356,61.443 31.628,57.171 ; U1.3@26.952,52.07 26.952,52.495 31.628,57.171 ; D2.2@37.874,63.449 37.874,61.482 U2.4@38.282,61.074 ; v1(49.829,30.226) 39.564,30.226 39.167,30.623 39.167,36.159 41.306,38.299 41.306,47.451 C4.2@41.989,48.133 41.989,48.633 41.306,49.316 40.109,49.316 37.176,52.249 C3.1@37.176,52.324 37.234,52.382 37.234,52.894 38.989,54.649 U2.2@38.989,54.924 U2.4@38.989,61.074 U2.4@38.282,61.074 ; 31.628,57.171 35.531,61.074 U2.4@38.282,61.074
  Bottom Layer w0.635: v1(49.829,30.226) 49.829,23.281 49.962,23.148 49.962,16.247 50.334,15.875 61.333,15.875 61.923,15.285 74.937,15.285 78.105,18.453 J1.2@78.105,20.701
+12V: C1.2 C2.1 D2.1 D3.1 F1.2 J1.1 P1.1 P2.1 P3.1 Q6.2 Q7.2 R2.1 R15.1 R23.2 R24.1 R25.1 R40.1 U2.3 | length 337.2
  Top Layer w0.254: C2.1@10.76,52.959 10.76,55.451 12.097,56.788 D3.1@12.097,57.023
  Top Layer w0.635: R23.2@20.396,34.049 20.396,37.795 v2(21.971,39.37) ; 33.337,66.84 33.655,66.523 39.732,66.523 40.104,66.151 D2.1@40.104,63.449 42.046,63.449 42.418,63.077 42.418,60.046 41.289,58.917 U2.3@41.289,54.924 41.289,54.649 44.298,51.64 44.298,43.993 43.24,42.935 43.24,42.409 44.955,40.693 53.089,40.693 ; v1(48.971,31.902) 51.378,34.309 51.378,34.909 51.41,34.941 51.41,36.503 v1(51.41,36.579) ; v1@54.819,39.319 v1(54.864,39.319) 53.49,40.693 53.089,40.693 ; Q7.2@60.691,51.756 60.691,51.706 60.773,51.623 60.823,51.623 61.519,50.928 R25.1@61.519,49.352 ; R2.1@80.543,44.053 80.574,44.084 80.574,46.578 R40.1@80.605,46.609 67.361,46.609 64.338,49.632 61.798,49.632 R25.1@61.519,49.352 ; R24.1@81.899,57.074 81.613,57.36 81.613,58.469 80.731,59.351 Q6.2@80.731,59.401 80.731,59.451 81.534,60.254 81.534,65.947 82.318,66.732 85.426,66.732 87.004,68.31 87.004,74.796 87.519,75.311 R15.1@88.9,75.311 ; 53.089,40.693 57.918,45.523 61.127,45.523 61.768,44.882 v1(63.754,44.882) 63.754,46.966 61.519,49.201 R25.1@61.519,49.352
  Top Layer w2: D3.1@12.097,57.023 12.147,57.023 12.239,56.931 12.239,56.88 14.199,54.921 v2(14.199,49.86) ; 13.17,58.046 C1.2@13.17,62.23 13.17,62.39 13.175,62.395 13.335,62.395 15.202,64.262 30.759,64.262 33.337,66.84 37.539,71.042 F1.2@42.479,71.042 F1.2@42.479,76.042 42.829,75.692 P1.1@54.356,75.692 P2.1@62.738,75.692 P3.1@71.12,75.692
  Bottom Layer w0.635: v1(48.971,31.902) 48.94,31.871 48.94,30.711 48.857,30.628 48.857,16.095 49.966,14.986 60.964,14.986 61.555,14.396 75.305,14.396 78.994,18.085 78.994,19.05 J1.1@80.645,20.701 ; v1(51.41,36.579) 51.441,36.611 52.155,36.611 v1(54.864,39.319) ; P3.1@71.12,75.692 73.508,78.08 88.528,78.08 88.9,77.708 R15.1@88.9,75.311
  Bottom Layer w2: v2(14.199,49.86) 14.199,47.142 v2(21.971,39.37) ; F1.2@42.479,71.042 F1.2@42.479,76.042 42.829,75.692 P1.1@54.356,75.692 P2.1@62.738,75.692 P3.1@71.12,75.692